# KiCad board JL-rev1.kicad_pcb (continued)
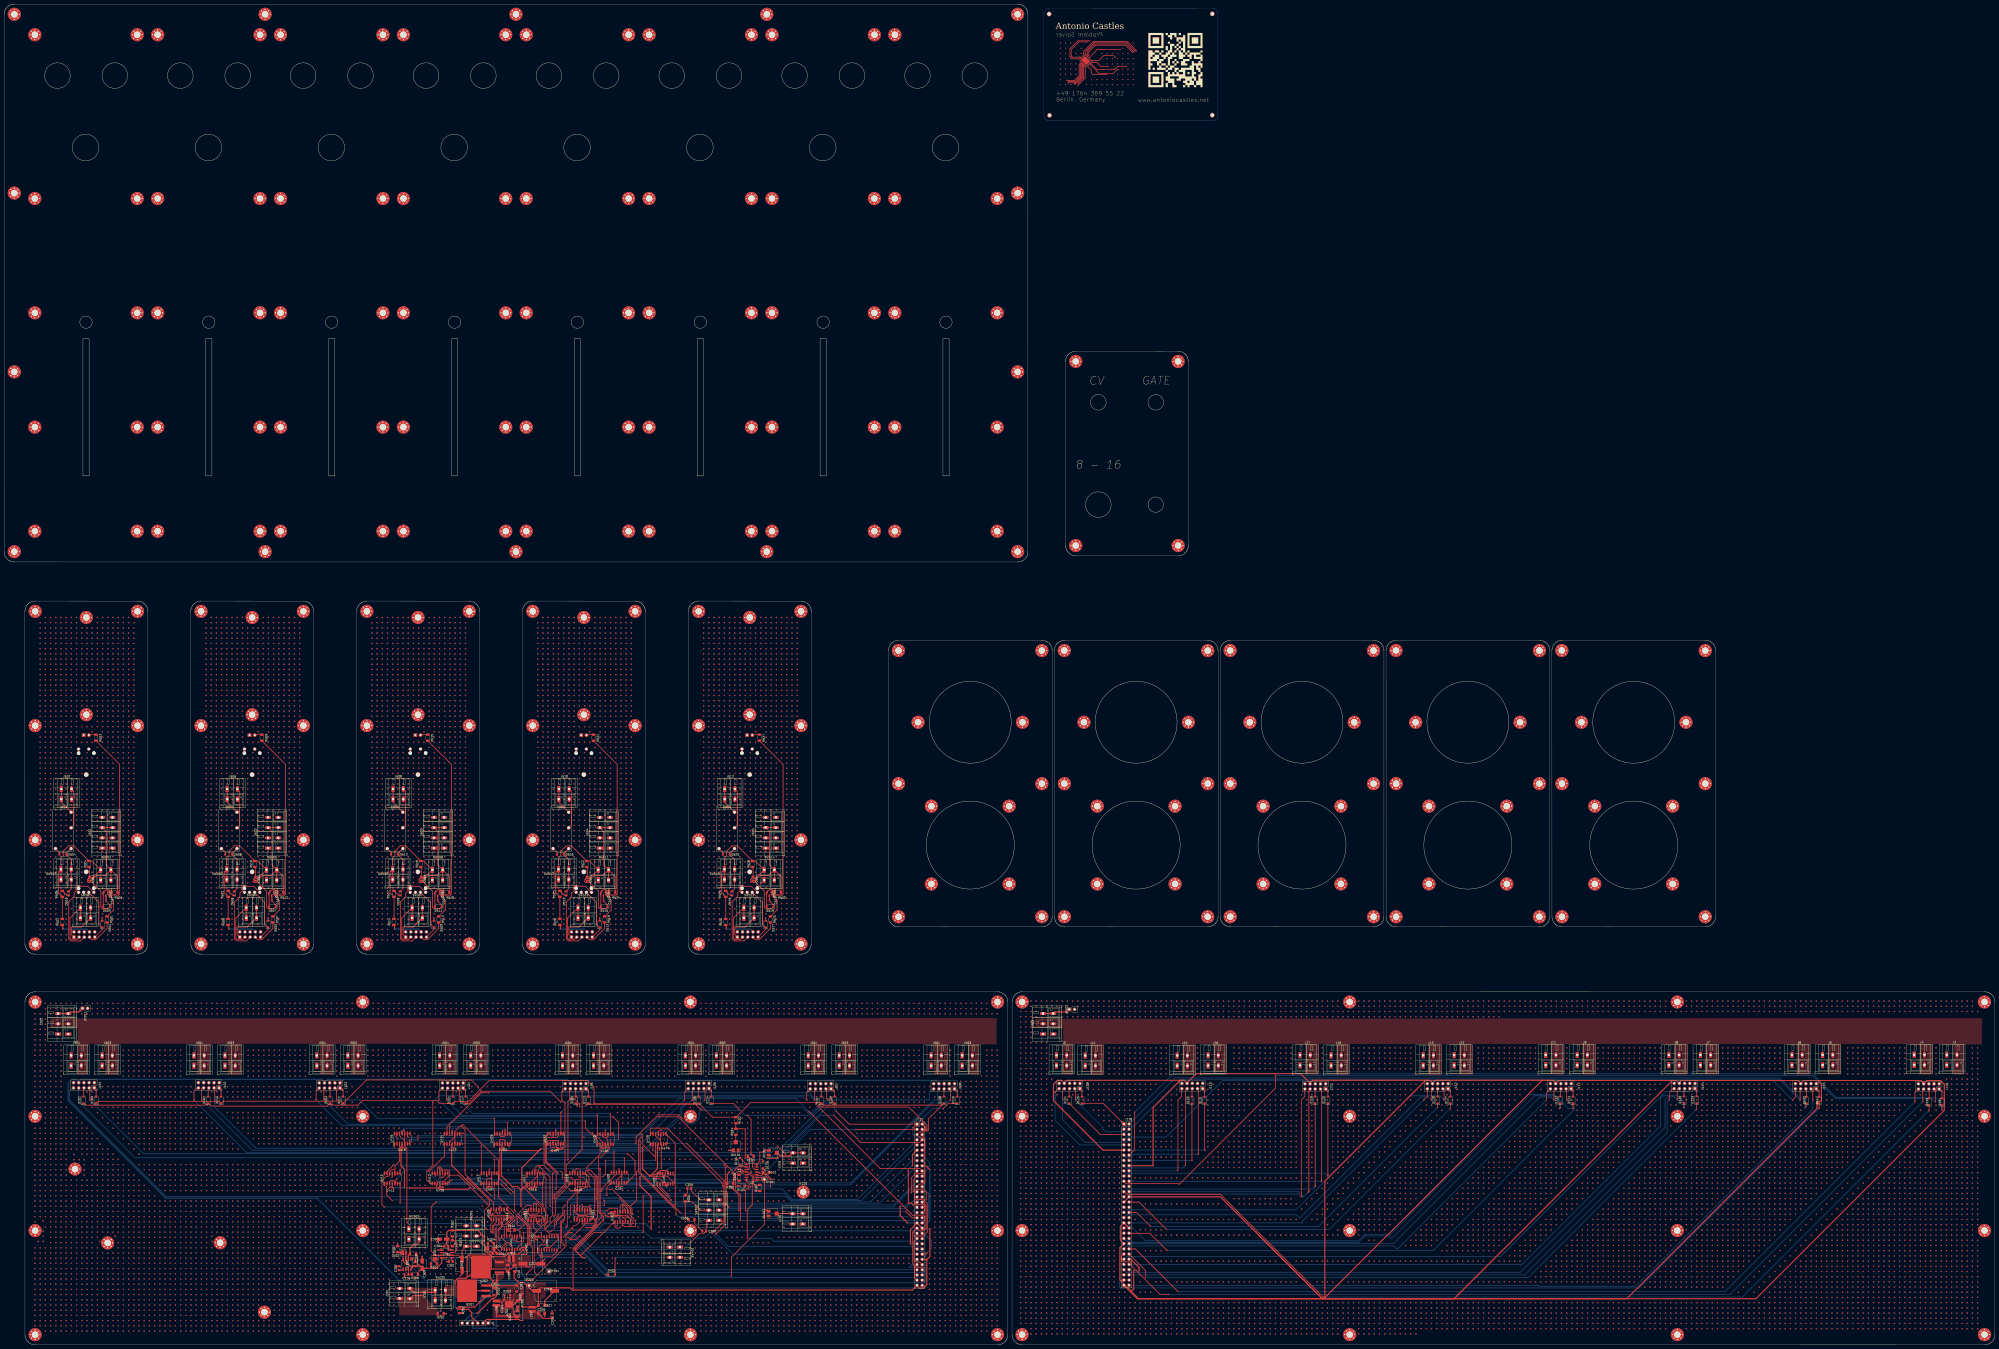
[diagram p0: board, top side]
## Routing (per net, layer and track width the routed paths; a pad name or vN(x,y) marks a point on that pad's centre or on a via; arc(x,y) is an arc through that point) (continued)
v4(377.17,281.67) v4(377.17,279.13) v4(377.17,276.59) v4(377.17,274.05) v4(377.17,271.51) v4(377.17,268.97) v4(377.17,266.43) v4(377.17,263.89) v4(377.17,261.35) v4(377.17,241.03) v4(377.17,238.49) v4(377.17,235.95) v4(377.17,208.01) v4(377.17,205.47) v4(377.17,202.93) v4(377.17,200.39) v4(377.17,197.85) v4(379.71,355.33) v4(379.71,352.79) v4(379.71,350.25) v4(379.71,347.71) v4(379.71,345.17) v4(379.71,342.63) v4(379.71,340.09) v4(379.71,337.55) v4(379.71,335.01) v4(379.71,332.47) v4(379.71,329.93) v4(379.71,327.39) v4(379.71,324.85) v4(379.71,322.31) v4(379.71,319.77) v4(379.71,317.23) v4(379.71,314.69) v4(379.71,312.15) v4(379.71,309.61) v4(379.71,307.07) v4(379.71,304.53) v4(379.71,301.99) v4(379.71,299.45) v4(379.71,296.91) v4(379.71,294.37) v4(379.71,291.83) v4(379.71,289.29) v4(379.71,286.75) v4(379.71,218.17) v4(379.71,215.63) v4(379.71,213.09) v4(379.71,210.55) v4(379.71,208.01) v4(379.71,205.47) v4(379.71,202.93) v4(379.71,200.39) v4(379.71,197.85) v4(382.25,355.33) v4(382.25,352.79) v4(382.25,350.25) v4(382.25,347.71) v4(382.25,345.17) v4(382.25,342.63) v4(382.25,340.09) v4(382.25,337.55) v4(382.25,335.01) v4(382.25,332.47) v4(382.25,329.93) v4(382.25,327.39) v4(382.25,324.85) v4(382.25,322.31) v4(382.25,319.77) v4(382.25,317.23) v4(382.25,314.69) v4(382.25,312.15) v4(382.25,309.61) v4(382.25,307.07) v4(382.25,304.53) v4(382.25,301.99) v4(382.25,299.45) v4(382.25,296.91) v4(382.25,294.37) v4(382.25,291.83) v4(382.25,289.29) v4(382.25,286.75) v4(382.25,284.21) v4(382.25,281.67) v4(382.25,279.13) v4(382.25,276.59) v4(382.25,274.05) v4(382.25,271.51) v4(382.25,268.97) v4(382.25,266.43) v4(382.25,263.89) v4(382.25,261.35) v4(382.25,258.81) v4(382.25,256.27) v4(382.25,253.73) v4(382.25,251.19) v4(382.25,248.65) v4(382.25,246.11) v4(382.25,243.57) v4(382.25,241.03) v4(382.25,238.49) v4(382.25,235.95) v4(382.25,233.41) v4(382.25,230.87) v4(382.25,228.33) v4(382.25,225.79) v4(382.25,223.25) v4(382.25,220.71) v4(382.25,218.17) v4(382.25,215.63) v4(382.25,213.09) v4(382.25,210.55) v4(382.25,208.01) v4(382.25,205.47) v4(382.25,202.93) v4(382.25,200.39) v4(382.25,197.85) v4(384.79,355.33) v4(384.79,352.79) v4(384.79,350.25) v4(384.79,347.71) v4(384.79,345.17) v4(384.79,342.63) v4(384.79,340.09) v4(384.79,337.55) v4(384.79,335.01) v4(384.79,332.47) v4(384.79,329.93) v4(384.79,327.39) v4(384.79,324.85) v4(384.79,322.31) v4(384.79,319.77) v4(384.79,317.23) v4(384.79,314.69) v4(384.79,312.15) v4(384.79,309.61) v4(384.79,307.07) v4(384.79,304.53) v4(384.79,301.99) v4(384.79,299.45) v4(384.79,296.91) v4(384.79,294.37) v4(384.79,291.83) v4(384.79,289.29) v4(384.79,286.75) v4(384.79,284.21) v4(384.79,281.67) v4(384.79,279.13) v4(384.79,276.59) v4(384.79,274.05) v4(384.79,271.51) v4(384.79,268.97) v4(384.79,266.43) v4(384.79,263.89) v4(384.79,261.35) v4(384.79,258.81) v4(384.79,256.27) v4(384.79,253.73) v4(384.79,251.19) v4(384.79,248.65) v4(384.79,246.11) v4(384.79,243.57) v4(384.79,241.03) v4(384.79,238.49) v4(384.79,235.95) v4(384.79,233.41) v4(384.79,230.87) v4(384.79,228.33) v4(384.79,225.79) v4(384.79,223.25) v4(384.79,220.71) v4(384.79,218.17) v4(384.79,215.63) v4(384.79,213.09) v4(384.79,210.55) v4(384.79,208.01) v4(384.79,205.47) v4(384.79,202.93) v4(384.79,200.39) v4(384.79,197.85) v4(387.33,352.79) v4(387.33,350.25) v4(387.33,347.71) v4(387.33,345.17) v4(387.33,342.63) v4(387.33,340.09) v4(387.33,337.55) v4(387.33,335.01) v4(387.33,332.47) v4(387.33,329.93) v4(387.33,327.39) v4(387.33,324.85) v4(387.33,322.31) v4(387.33,319.77) v4(387.33,317.23) v4(387.33,314.69) v4(387.33,312.15) v4(387.33,309.61) v4(387.33,307.07) v4(387.33,296.91) v4(387.33,294.37) v4(387.33,291.83) v4(387.33,289.29) v4(387.33,286.75) v4(387.33,284.21) v4(387.33,281.67) v4(387.33,279.13) v4(387.33,276.59) v4(387.33,274.05) v4(387.33,271.51) v4(387.33,268.97) v4(387.33,266.43) v4(387.33,263.89) v4(387.33,261.35) v4(387.33,258.81) v4(387.33,256.27) v4(387.33,253.73) v4(387.33,251.19) v4(387.33,241.03) v4(387.33,238.49) v4(387.33,235.95) v4(387.33,233.41) v4(387.33,230.87) v4(387.33,228.33) v4(387.33,225.79) v4(387.33,223.25) v4(387.33,220.71) v4(387.33,218.17) v4(387.33,215.63) v4(387.33,213.09) v4(387.33,210.55) v4(387.33,208.01) v4(387.33,205.47) v4(387.33,202.93) v4(387.33,200.39)
